# KiCad board PC110.kicad_pcb (continued)
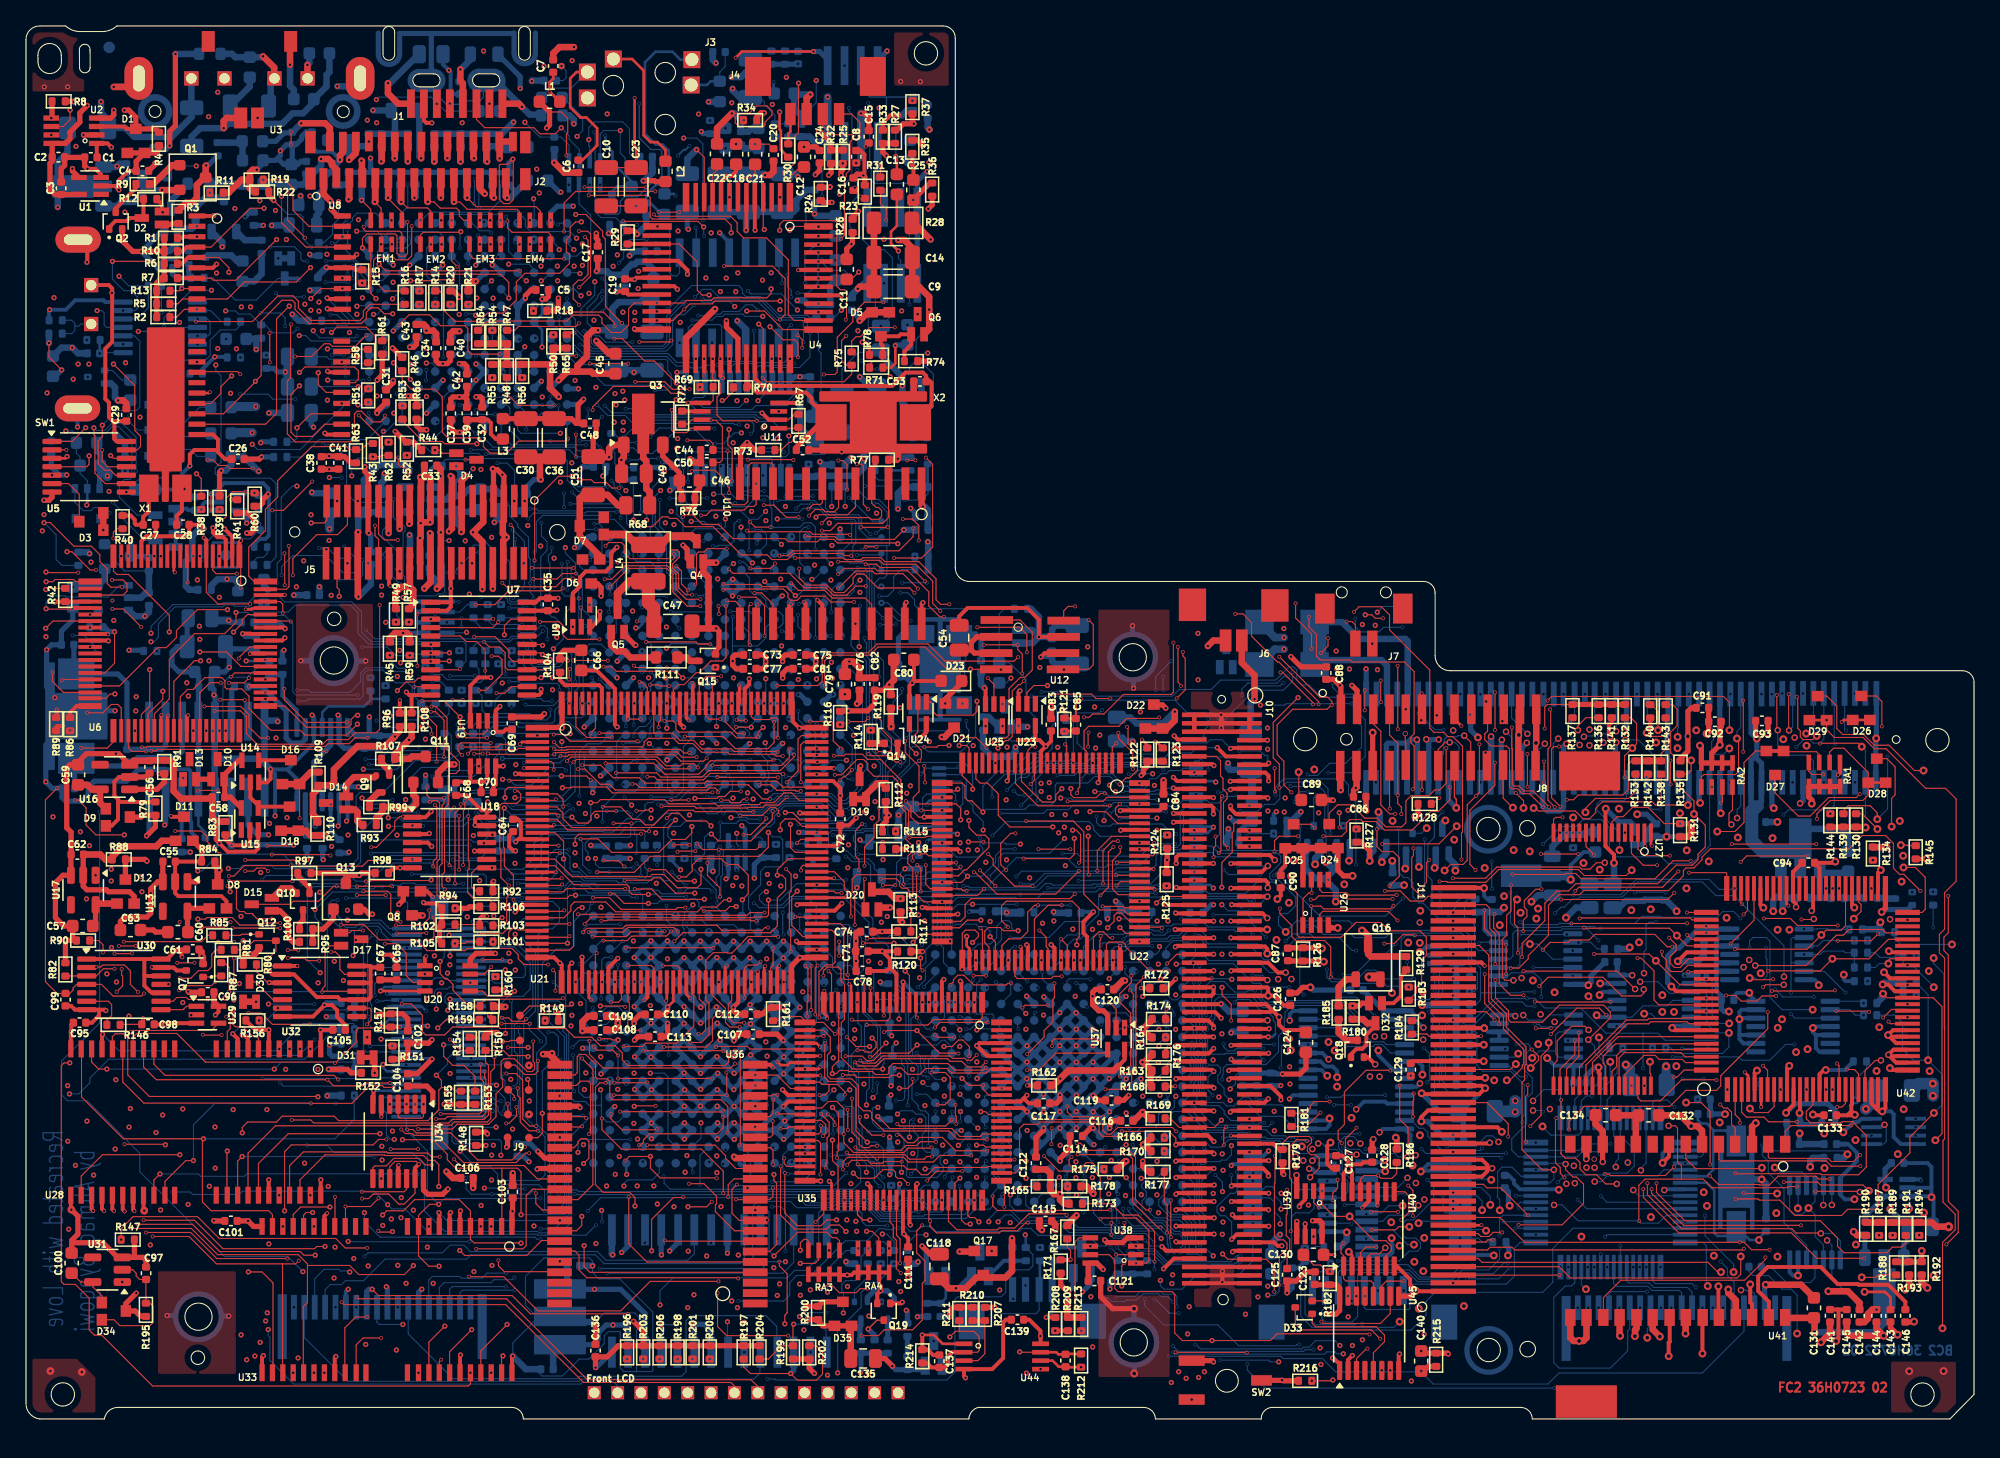
[diagram p0: board, top side]
## Routing (per net, layer and track width the routed paths; a pad name or vN(x,y) marks a point on that pad's centre or on a via; arc(x,y) is an arc through that point) (continued)
/PCMCIA/ACA3: length 24.9
  FC2 w0.08: v3(85.14,34.16) 85.14,33.65 84.25,32.76 84.25,32.12 85.09,31.28 85.09,27.26 v3(84.86,27.03)
  FC2 w0.2: v3(92.8,21.84) 92.83,21.81 J10.52
  FC1 w0.08: v3(92.8,21.84) 91.41,21.84 90.61,22.64 90.61,25.66 89.47,26.8 85.09,26.8 v3(84.86,27.03) ; v1(87.4,33.91) 86.94,33.91 86.74,33.71 85.95,33.71 85.5,34.16 v3(85.14,34.16)
  BC2 w0.08: v1(87.4,33.91) 87.28,33.91 86.64,33.27 86.54,33.27
/PCMCIA/ACA4: length 28.5
  FC1 w0.08: v2(98.27,21) 96.16,23.11 v3(94.24,23.11)
  BC1 w0.08: v7(93.92,24.46) 93.9,24.48 93.9,27.85 93.3,28.45 93.3,30.41 92.39,31.32 91.66,31.32 91.38,31.6 89.21,31.6 89.13,31.52 87.18,31.52 86.11,30.45 85.81,30.45 85.45,30.09 v7(85.45,30.01) ; v2(98.27,21) 97.73,21 97.49,21.24 v7(97.49,22.62)
  BC2 w0.08: v7(85.45,30.01) 85.18,30.01 84.46,30.73 84,30.73 ; v7(93.92,24.46) 95.06,23.32 96.79,23.32 v7(97.49,22.62)
/PCMCIA/ACA5: length 28.9
  FC2 w0.3: v1(95.69,24.67) 95.38,24.36 J10.48
  BC1 w0.08: v7(94.77,24.65) 94.77,25.21 94.82,25.26 94.82,29.56 95,29.74 95,31.56 94.15,32.41 94.15,33.83 93.99,33.99 93.99,35.58 93.12,36.45 89.58,36.45 89.02,37.01 87.91,37.01 87.71,37.21 86.76,37.21 86.44,36.89 85.87,36.89 85.02,36.04 85.02,35.34 85.38,34.98 85.98,34.98 86.13,35.13 86.13,35.33 86.28,35.48 87.53,35.48 v7(87.9,35.11)
  BC2 w0.08: v7(87.9,35.11) 87.81,35.02 87.81,34.54 ; v7(94.77,24.65) 95.67,24.65 v1(95.69,24.67)
/PCMCIA/ACA6: length 32.1
  FC2 w0.3: J10.46 95.86,25.66 96.66,24.86 v1(96.66,24.6)
  BC1 w0.08: v7(96.3,20.6) 96.58,20.6 96.69,20.71 96.69,21.32 96.59,21.42 96.59,24.03 96.65,24.09 96.65,24.59 v1(96.66,24.6) ; v7(94.82,21.1) 94.82,23.66 95.12,23.96 95.12,25.14 95.01,25.25 95.01,29.44 95.19,29.62 95.19,31.71 94.35,32.55 94.35,33.9 94.19,34.06 94.19,35.69 93.24,36.64 91.16,36.64 91.06,36.74 v7(89.7,36.74)
  BC2 w0.08: v7(89.7,36.74) 89.15,36.74 89.03,36.86 88.36,36.86 87.81,36.31 87.81,35.78 ; v7(94.82,21.1) 94.88,21.16 95.93,21.16 96.3,20.79 v7(96.3,20.6)
/PCMCIA/ACA7: length 15
  FC2 w0.3: v1(92.65,26.85) 92.71,26.91 J10.44
  BC1 w0.08: v1(92.65,26.85) 92.39,26.85 91.69,26.15 90.2,26.15 89.71,26.64 85.43,26.64 85.22,26.85 84.41,26.85 82.83,28.43 v7(82.83,30.39)
  BC2 w0.08: v7(82.83,30.39) 82.83,30.63 82.73,30.73 82.73,30.7
/PCMCIA/ACA8: length 24.7
  FC2 w0.3: J10.24 92.89,39.61 v1(92.87,39.63)
  BC1 w0.08: v7(85.53,43) 85.53,41.35 86.69,40.19 92.31,40.19 v1(92.87,39.63) ; v7(80.81,34.49) 80.81,35.75 81.39,36.33 81.39,37.54 81.28,37.65 81.28,39.26 81.41,39.39 81.41,42.98 v7(81.39,43)
  BC2 w0.08: v7(81.39,43) v7(85.53,43) ; v7(80.81,34.49) 80.76,34.54 80.19,34.54
/PCMCIA/ACA9: length 18.9
  FC2 w0.3: J10.22 92.82,40.91 v1(92.81,40.9)
  BC1 w0.08: v1(92.81,40.9) 92.81,41.3 92.63,41.48 87.18,41.48 87.01,41.31 v7(87.01,40.51)
  BC2 w0.08: v7(87.01,40.51) 86.65,40.51 86.51,40.65 83.05,40.65 82.62,40.22 82.62,38.88 81.65,37.91 81.65,37.43 81.19,36.97 80.71,36.97 80.19,36.45 80.19,35.78
/PCMCIA/ACA10: length 41.6
  FC1 w0.08: v1(96.92,46.77) 96.92,45.22 96.41,44.71 v3(94.24,44.71)
  BC1 w0.08: v7(77.94,47.67) 77.94,41.07 77.47,40.6 77.47,36.33 77,35.86 v7(77,35.56) ; v7(91.06,50.02) 91.38,49.7 93,49.7 95.33,47.37 96.63,47.37 96.92,47.08 v1(96.92,46.77)
  BC2 w0.08: 77.65,34.54 77.22,34.54 77,34.76 v7(77,35.56) ; v7(91.06,50.02) 91.06,50.32 90.95,50.43 83.41,50.43 83.1,50.12 78.63,50.12 77.79,49.28 77.79,48.22 77.94,48.07 v7(77.94,47.67)
/PCMCIA/ACA11: length 25
  FC2 w0.3: v4(95.66,42.62) 95.2,42.16 J10.20
  BC1 w0.08: v7(81.07,41.48) v7(81.07,37.3) ; v7(86.44,41.51) 86.76,41.51 86.93,41.68 92.45,41.68 v7(93.37,42.6)
  BC2 w0.08: 78.92,34.54 79.62,35.24 79.62,36.71 80.21,37.3 v7(81.07,37.3) ; v7(86.44,41.51) 82.03,41.51 82,41.48 v7(81.07,41.48) ; v4(95.66,42.62) 95.64,42.6 v7(93.37,42.6)
/PCMCIA/ACA12: length 16.9
  FC2 w0.3: v1(95.71,28.18) 95.69,28.16 J10.42
  IC2 w0.08: v1(95.71,28.18) 94.95,28.94 94.95,31.24 93.36,32.83 93.36,34.65 93.1,34.91 90.1,34.91 89.31,35.7 88.02,35.7 v1(87.31,36.41)
  BC2 w0.08: 86.54,35.81 87.04,35.81 87.31,36.08 v1(87.31,36.41)
/PCMCIA/ACA13: length 19.5
  FC2 w0.3: J10.26 92.82,38.36 v1(92.81,38.37)
  IC1 w0.08: v1(92.81,38.37) 92.2,37.76 91.07,37.76 90.41,37.1 81.74,37.1 81.47,37.37 81.08,37.37 80.7,37.75 v1(80.63,37.75)
  BC1 w0.08: v1(80.63,37.75) 80.63,36.9 80.53,36.8 80.53,33.96 v7(80.9,33.59)
  BC2 w0.08: 81.46,33.27 81.44,33.29 81.29,33.29 80.99,33.59 v7(80.9,33.59)
/PCMCIA/ACA14: length 13.8
  FC2 w0.3: v1(92.8,37.08) 92.82,37.06 J10.28
  BC1 w0.08: v7(82.62,35.87) 84.02,37.27 84.71,37.27 85.1,37.66 v7(85.1,38.05) ; v7(87.46,37.61) 87.67,37.4 87.88,37.4 88.04,37.24 89.25,37.24 89.38,37.11 89.78,37.11 89.9,36.99 90.63,36.99 91.2,37.56 92.32,37.56 v1(92.8,37.08)
  BC2 w0.08: v7(87.46,37.61) 86.87,37.61 86.77,37.71 85.44,37.71 v7(85.1,38.05) ; 82.73,35.81 82.67,35.87 v7(82.62,35.87)
/PCMCIA/ACA15: length 26.9
  FC2 w0.2: J10.40 94.26,29.44 v1(95.69,29.44)
  BC1 w0.08: v7(83.45,33.21) 82.78,32.54 82.78,30.99 84,29.77 84.66,29.77 84.87,29.98 84.87,31.6 84.35,32.12 84.35,32.83 84.64,33.12 85.27,33.12 85.67,33.52 86.3,33.52 86.66,33.16 86.66,32.69 87.09,32.26 88.83,32.26 89,32.43 89,32.77 89.16,32.93 89.53,32.93 89.62,32.84 92.88,32.84 93.09,32.63 v7(93.09,32.11)
  BC2 w0.08: v7(83.45,33.21) 83.51,33.27 84,33.27 84,33.24 ; 96.24,29.67 96.24,30.53 96.07,30.7 96.07,30.96 95.67,31.36 95.19,31.36 94.23,32.32 93.3,32.32 v7(93.09,32.11)
  BC2 w0.2: 96.24,29.67 96.01,29.44 v1(95.69,29.44)
/PCMCIA/ACA16: length 35.5
  FC2 w0.3: v4(95.63,30.72) 95.62,30.71 J10.38
  IC2 w0.08: v4(95.63,30.72) 95.63,31.24 95.82,31.43 97.53,31.43 97.88,31.08 97.88,24.19 96.31,22.62 93.03,22.62 91.95,23.7 91.95,23.96 91.74,24.17 91.25,24.17 90.19,25.23 90.19,30.08 85.64,34.63 84.14,34.63 v1(83.44,33.93)
  BC2 w0.08: 84,34.54 84,34.52 83.44,33.96 v1(83.44,33.93)
/PCMCIA/ACA17: length 18.8
  FC2 w0.3: J10.25 95.25,38.96 v4(95.61,38.6)
  BC1 w0.08: v7(88.04,37.65) 88.04,37.89 88.35,38.2 89.18,38.2 89.29,38.31 89.29,39.31 89.39,39.41 90.29,39.41 90.84,38.86 v7(91.46,38.86)
  BC2 w0.08: v7(91.46,38.86) 94.1,38.86 94.36,38.6 v4(95.61,38.6) ; v7(88.04,37.65) 87.68,37.29 86.84,37.29 86.62,37.51 84.68,37.51 84.52,37.35 82.4,37.35 81.46,36.41 81.46,35.81
/PCMCIA/ACA18: length 21.6
  FC2 w0.3: v2(95.6,37.72) 95.59,37.71 J10.27
  BC1 w0.08: v7(81.9,35.18) 81.9,35.85 82.03,35.98 82.03,36.31 82.93,37.21 83.63,37.21 83.89,37.47 84.56,37.47 84.72,37.63 84.72,39.93 v7(85.01,40.22) ; v2(95.6,37.72) 94.58,38.74 v7(94.58,39.91)
  BC2 w0.08: v7(81.9,35.18) 81.9,35.17 81.46,34.73 81.46,34.54 ; v7(94.58,39.91) 94.57,39.9 94.21,39.9 94.02,40.09 87.55,40.09 87.42,40.22 v7(85.01,40.22)
/PCMCIA/ACA19: length 18.8
  FC2 w0.3: J10.29 95.43,36.41 95.61,36.23 v2(95.61,35.86)
  BC1 w0.08: v7(83.5,35.32) 82.81,34.63 v7(82.81,33.4)
  BC2 w0.08: v2(95.61,35.86) 94.86,36.61 91.12,36.61 91.11,36.6 91.06,36.6 90.89,36.77 90.89,37.26 90.56,37.59 89.5,37.59 88.97,37.06 88.32,37.06 88.07,36.81 86.7,36.81 86.54,36.65 84.98,36.65 84.73,36.4 83.9,36.4 83.5,36 v7(83.5,35.32) ; 82.73,33.24 82.81,33.32 v7(82.81,33.4) 82.81,33.35 82.73,33.27
/PCMCIA/ACA20: length 17.7
  FC2 w0.3: J10.31 95.68,35.16 96.44,34.4 v4(97.03,34.4)
  BC1 w0.08: v7(90.64,35.74) 90.3,35.74 90.17,35.87 88.17,35.87 87.85,36.19 87.85,36.47 87.48,36.84 87.15,36.84 v7(86.75,36.44)
  BC2 w0.08: 84,35.81 84.25,36.06 84.65,36.06 85.03,36.44 v7(86.75,36.44) ; v7(90.64,35.74) 90.7,35.74 91.12,35.32 94.86,35.32 95.78,34.4 v4(97.03,34.4)
/PCMCIA/ACA21: length 23.9
  FC2 w0.3: v4(95.62,33.82) 95.53,33.91 J10.33
  BC1 w0.08: v7(93.64,37.57) 93.64,36.75 94.43,35.96 94.43,34.24 v7(94.47,34.2) ; v7(81.7,31.77) 81.7,34.54 82.25,35.09 82.25,35.97 v7(82.79,36.51)
  BC2 w0.08: v7(82.79,36.51) 82.97,36.69 84.07,36.69 84.16,36.6 84.64,36.6 84.91,36.87 86.41,36.87 86.53,36.99 87.88,36.99 88.13,37.24 88.8,37.24 89.37,37.81 90.75,37.81 90.87,37.69 93.07,37.69 93.19,37.57 v7(93.64,37.57) ; v4(95.62,33.82) 95.24,34.2 v7(94.47,34.2) ; 81.46,32 81.69,31.77 v7(81.7,31.77) 81.66,31.77 81.46,31.97
/PCMCIA/ACA22: length 17.2
  FC2 w0.3: v1(95.75,30.07) 95.74,30.06 J10.39
  BC1 w0.08: v7(85.55,35.77) 85.55,35.95 85.99,36.39 86.33,36.39 86.83,35.89 87.76,35.89 87.96,35.69 89.91,35.69 90.17,35.43 91.16,35.43 91.24,35.35 92.33,35.35 92.52,35.16 93.13,35.16 93.61,34.68 93.61,33.75 93.8,33.56 93.8,31.94 94.48,31.26 v7(94.48,30.09)
  BC2 w0.08: 85.28,35.77 85.27,35.78 ; v7(85.55,35.77) 85.31,35.77 85.27,35.81 ; v7(94.48,30.09) 95.73,30.09 v1(95.75,30.07)
/PCMCIA/ACA23: length 16.7
  FC2 w0.3: J10.41 92.85,28.81 v1(92.83,28.79)
  IC2 w0.08: v1(92.12,34.34) 92.12,34.3 91.49,33.67 91.33,33.67 91.04,33.38 91.04,29.15 91.27,28.92 92.09,28.92 92.22,28.79 v1(92.83,28.79)
  BC1 w0.08: v1(92.12,34.34) 92.12,34.79 91.92,34.99 90.97,34.99 90.61,34.63 86.97,34.63 86.82,34.48 v7(85.55,34.48)
  BC2 w0.08: 85.27,34.54 85.33,34.48 v7(85.55,34.48)
/PCMCIA/ACA24: length 16.2
  FC2 w0.3: v1(92.84,27.72) 93.05,27.51 J10.43
  BC1 w0.08: v7(85.5,32.57) 85.5,32.24 85.67,32.07 88.91,32.07 89.14,32.3 89.72,32.3 89.89,32.47 92.27,32.47 92.55,32.19 92.55,31.79 93.93,30.41 93.93,29.66 94.11,29.48 v7(94.11,28.04)
  BC2 w0.08: v7(94.11,28.04) 93.79,27.72 v1(92.84,27.72) ; v7(85.5,32.57) 85.5,33.04 85.27,33.27
/PCMCIA/ACA25: length 24.1
  FC2 w0.3: v1(92.65,26.15) 92.76,26.26 J10.45
  IC4 w0.08: v1(92.65,26.15) 93.19,26.15 93.58,25.76 93.58,23.46 92.71,22.59 91.01,22.59 89.85,23.75 89.85,29.04 89.5,29.39 88.16,29.39 87.87,29.68 87.87,31.99 v1(88.56,32.68)
  BC1 w0.08: v1(88.56,32.68) 87.3,32.68 87.1,32.88 87.1,33.43 86.57,33.96 v7(86.41,33.96)
  BC2 w0.08: 86.54,34.51 86.54,34.54 86.41,34.41 v7(86.41,33.96)
/PCMCIA/ACD0: length 21.1
  FC2 w0.3: v1(92.85,16.76) J10.60
  IC4 w0.08: v1(92.85,16.76) 93.23,16.76 93.44,16.97 93.44,17.01 93.43,17.02 93.43,22.56 93.95,23.08 93.95,26.21 93.64,26.52 93.64,28.98 93.36,29.26 92.54,29.26 v1(92.12,29.68)
  BC1 w0.08: v1(92.12,29.68) 92.12,30.19 91.65,30.66 91.65,31 91.23,31.42 89.75,31.42 89.62,31.29 v7(89.34,31.29)
  BC2 w0.4: v7(89.34,31.29) 89.08,31.55 89.08,32
/PCMCIA/ACD1: length 33.7
  FC2 w0.3: J10.62 93.15,15.51 v1(92.93,15.73)
  IC2 w0.08: v1(87.22,27.48) 86.72,27.98 85.6,27.98 84.27,26.65 84.27,22.97 85.29,21.95 92.82,21.95 93.3,21.47 93.3,19.3 92.61,18.61 91.47,18.61 90.78,17.92 90.78,16.84 91.89,15.73 v1(92.93,15.73)
  BC1 w0.08: v1(87.22,27.48) 87.22,28.1 86.76,28.56 86.76,30.69 87.22,31.15 v7(88.4,31.15)
  BC2 w0.08: 87.81,32 88.4,31.41 v7(88.4,31.15)
/PCMCIA/ACD1#: length 46.3
  FC2 w0.08: R117.2 68.16,39.19 v3(68.05,39.3)
  FC2 w0.3: J10.5 92.83,51.71 v1(92.79,51.67)
  FC1 w0.08: v3(68.05,39.3) 68.05,39.67 67.88,39.84 67.88,40.86 68.07,41.05 73.16,41.05 74.26,39.95 v1(74.26,38.34)
  BC1 w0.08: v7(75.55,48.46) 75.55,48.45 74.51,47.41 74.51,45.45 74.81,45.15 74.81,44.34 74.7,44.23 74.7,42.34 74.51,42.15 74.51,40.31 74.26,40.06 v1(74.26,38.34) 74.26,37.88 73.82,37.44 73.82,36.61 73.88,36.55 v7(73.88,35.96)
  BC2 w0.08: 73.84,35.81 73.88,35.85 v7(73.88,35.96) 73.88,35.82 ; v7(75.55,48.46) 76.53,49.44 77.07,49.44 78.15,50.52 81.62,50.52 82.02,50.92 85.29,50.92 85.61,51.24 86.92,51.24 87.78,52.1 90.97,52.1 91.21,52.34 92.12,52.34 v1(92.79,51.67)
/PCMCIA/ACD2: length 24.7
  FC2 w0.3: v1(92.87,13.84) 93.24,14.21 J10.64
  BC1 w0.08: v7(89.91,29.52) 89.51,29.12 89.51,28.88 89.76,28.63 90.5,28.63 91.04,28.09 91.89,28.09 92.13,28.33 93.18,28.33 93.68,27.83 93.68,24.8 93.64,24.76 93.64,21.73 93.82,21.55 93.82,19.57 v7(93.29,19.04)
  BC2 w0.08: v7(93.29,19.04) 93.29,17.58 93.09,17.38 92.75,17.38 91.74,16.37 91.74,15.94 92.02,15.66 92.38,15.66 92.87,15.17 v1(92.87,13.84) ; v7(89.91,29.52) 89.91,30.31 89.49,30.73 89.08,30.73
/PCMCIA/ACD2#: length 87.1
  FC2 w0.08: v3(96.15,9.8) 96.15,11.7 95.54,12.31 J10.67 92.57,12.31 v1(92.17,12.71) ; R177.2 87.68,16.73 87.9,16.51 v3(87.9,14.36)
  FC1 w0.08: v1(92.17,12.71) 92.17,13.22 91.86,13.53 90.11,13.53 89.28,14.36 v3(87.9,14.36) ; v3(96.15,9.8) 96.13,9.78 96.13,4.92 96,4.79 96,4.14 96.25,3.89 97.26,3.89 97.74,3.41 102.31,3.41 102.89,3.99 102.89,4.94 v1(102.17,5.66)
  BC1 w0.08: v7(89.58,30.09) 89.85,30.36 90.18,30.36 90.49,30.67 91.35,30.67 v7(91.37,30.65) ; v7(103.41,30.06) 103.41,29.42 103.49,29.34 103.49,28.39 104.86,27.01 104.86,25.96 103.98,25.08 103.98,23.56 104.15,23.39 107.64,23.39 107.95,23.08 v7(107.95,18.42) ; v7(101.05,12.18) 101.05,6.78 v1(102.17,5.66)
  BC2 w0.08: v7(89.58,30.09) 89.58,30.04 89.08,29.54 89.08,29.43 ; v7(107.95,18.42) 108.43,17.94 108.43,16.9 106.87,15.34 106.34,15.34 106.03,15.03 106.03,14.2 106.29,13.94 107.05,13.94 107.41,13.58 107.41,13.17 107.17,12.93 106.54,12.93 105.79,12.18 v7(101.05,12.18) ; v7(91.37,30.65) 91.57,30.85 91.57,32.23 91.85,32.51 94.47,32.51 95.28,31.7 97.06,31.7 97.42,32.06 100.42,32.06 100.65,31.83 101.64,31.83 v7(103.41,30.06)
/PCMCIA/ACD3: length 42
  FC2 w0.3: v1(95.62,52.31) J10.4
  IC2 w0.08: v1(95.62,52.31) 94.26,50.95 91.09,50.95 90.28,50.14 85.31,50.14 84.62,49.45 82.27,49.45 79.6,46.78 79.6,46.37 79.96,46.01 80.78,46.01 81.24,45.55 v1(81.82,45.55)
  BC1 w0.08: v7(75.85,37.1) v7(75.85,33.66) ; v1(81.82,45.55) 82.31,45.06 82.31,44.65 81.73,44.07 81.73,39.19 81.6,39.06 v7(81.6,38.33)
  BC2 w0.08: v7(75.85,33.66) 75.85,32.74 75.11,32 ; v7(81.6,38.33) 80.02,38.33 78.79,37.1 v7(75.85,37.1)
/PCMCIA/ACD4: length 39.9
  FC2 w0.3: J10.6 92.43,51.06 v1(91.76,51.73)
  BC1 w0.08: v7(81.25,49.32) 81.25,48.14 81.45,47.94 81.45,46.53 80.97,46.05 78.86,46.05 78.36,45.55 78.36,40.69 77.86,40.19 77.86,37.38 78.03,37.21 78.03,34.92 77.56,34.45 76.56,34.45 76.28,34.17 76.28,32.76 v7(77.73,31.31) ; v7(85.97,48.86) 85.97,49.1 86.32,49.45 86.32,49.79 85.96,50.15 v7(85.96,50.92)
  BC2 w0.08: v7(85.96,50.92) 87.66,50.92 88.06,51.32 89.77,51.32 90.18,51.73 v1(91.76,51.73) ; 77.65,30.73 77.65,31.23 v7(77.73,31.31) ; v7(81.25,49.32) 81.65,49.72 83.68,49.72 84.29,49.11 85.72,49.11 v7(85.97,48.86)
/PCMCIA/ACD5: length 51.7
  FC2 w0.3: J10.8 95.47,49.81 95.71,49.57 v1(95.71,49.18)
  BC1 w0.08: v7(78.23,56.03) 76.64,54.44 76.64,52.33 76.82,52.15 76.82,49.62 76.42,49.22 76.42,48.03 75.48,47.09 74.96,47.09 74.72,46.85 74.72,45.54 75.01,45.25 75.01,44.2 74.89,44.08 74.89,42.12 74.71,41.94 v7(74.71,33.67) ; v1(95.71,49.18) 94.66,50.23 94.66,52 93.35,53.31 93.35,56.41 91.99,57.77 89.13,57.77 88.06,56.7 80.21,56.7 v7(79.56,56.05)
  BC2 w0.08: v7(78.23,56.03) 78.24,56.04 79.55,56.04 v7(79.56,56.05) ; v7(74.71,33.67) 75.11,33.27 75.11,33.24
/PCMCIA/ACD6: length 41.1
  FC2 w0.3: J10.10 92.84,48.56 v1(92.78,48.5)
  BC1 w0.08: v7(91.83,48.29) 90.99,48.29 90.43,48.85 89.63,48.85 89.18,49.3 89.18,50.82 88.72,51.28 88.11,51.28 87.84,51.55 v7(86.22,51.55) ; v7(80.96,53.98) 79.18,53.98 77.23,52.03 77.23,43.26 76.88,42.91 76.88,41.43 77.04,41.27 77.04,37.58 76.18,36.72 v7(76.18,36.4)
  BC2 w0.08: v7(86.22,51.55) 85.25,51.55 84.93,51.23 81.83,51.23 80.96,52.1 v7(80.96,53.98) ; 75.11,34.54 75.81,35.24 75.81,36.15 76.06,36.4 v7(76.18,36.4) ; v7(91.83,48.29) 92.1,48.29 92.31,48.5 v1(92.78,48.5)
/PCMCIA/ACD7: length 43.9
  FC1 w0.08: v3(94.24,47.26) 94.28,47.22 95.27,47.22 95.39,47.34 96.47,47.34 v1(96.99,47.86)
  BC1 w0.08: v7(76.43,35.96) 76.64,36.17 76.64,36.78 77.28,37.42 77.28,40.82 77.75,41.29 77.75,45.19 77.45,45.49 77.45,51.82 78.91,53.28 83.16,53.28 83.38,53.5 90.55,53.5 91.47,52.58 93.36,52.58 94.13,51.81 94.13,49.28 94.84,48.57 96.28,48.57 v1(96.99,47.86)
  BC2 w0.08: 76.38,35.81 76.43,35.86 v7(76.43,35.96) 76.43,35.83
/PCMCIA/ACD8: length 27.2
  FC2 w0.3: J10.61 95.67,16.16 v1(95.71,16.12)
  BC1 w0.08: v1(95.71,16.12) 95.16,16.67 95.16,18.9 94.74,19.32 94.45,19.32 93.53,18.4 92.72,18.4 92.52,18.6 92.52,18.9 92.76,19.14 92.96,19.14 93.5,19.68 93.5,21.53 93.41,21.62 93.41,24.98 93.49,25.06 93.49,27.69 93.03,28.15 92.62,28.15 91.67,27.2 91.32,27.2 91.07,26.95 90.09,26.95 90,27.04 85.81,27.04 v7(85.38,27.47)
  BC2 w0.08: 85.27,28.19 85.27,27.58 v7(85.38,27.47)
/PCMCIA/ACD9: length 71.4
  FC2 w0.3: J10.63 95.71,14.86 v1(95.72,14.85)
  BC1 w0.08: v7(98.52,11.22) 96.75,11.22 96.36,10.83 95.5,10.83 95.25,11.08 95.25,13.22 95.72,13.69 v1(95.72,14.85) ; v7(101.19,29.04) 101.19,31.16 99.45,32.9 99.45,33.47 99.13,33.79 98.69,33.79 98.18,33.28 v7(97.3,33.28) ; v7(89.95,31.13) 89.63,30.81 89.13,30.81 88.83,30.51 v7(87.16,30.51) ; v7(89.95,33.64) 89.93,33.66 v7(89.93,34.34) ; v7(103.16,29.04) 103.16,27.09 103.01,26.94 103.01,26 103.38,25.63 103.38,21.03 104,20.41 105.2,20.41 105.62,19.99 105.62,17.15 105.22,16.75 105.22,16.11 105.87,15.46 105.87,14.36 106.34,13.89 106.34,13.06 106.64,12.76 107.19,12.76 107.52,12.43 107.52,11.97 107.08,11.54 103.67,11.54 102.93,10.8 v7(102.93,7.34)
  BC2 w0.08: v7(102.93,7.34) 102.44,7.34 102.36,7.26 99.34,7.26 98.52,8.08 v7(98.52,11.22) ; v7(97.3,33.28) 95.35,33.28 95.06,33.57 94.52,33.57 93.01,35.08 90.82,35.08 90.69,35.21 90.23,35.21 89.93,34.91 v7(89.93,34.34) ; v7(89.95,31.13) 89.95,31.64 89.83,31.76 89.83,32.36 89.95,32.48 v7(89.95,33.64) ; v7(101.19,29.04) v7(103.16,29.04) ; v7(87.16,30.51) 86.94,30.73 86.54,30.73
/PCMCIA/ACD10: length 26.9
  FC2 w0.3: J10.65 96.14,13.61 96.41,13.34 v1(96.73,13.34)
  BC1 w0.08: v7(90.27,28.28) 88.34,28.28 88.1,28.52 88.1,29.46 87.91,29.65 v7(87.91,30.03) ; v1(96.73,13.34) 96.18,13.89 96.18,16.43 95.95,16.66 95.7,16.66 95.34,17.02 95.34,19.23 94.52,20.05 94.52,22.98 v7(94.5,23)
  BC2 w0.08: v7(90.27,28.28) 90.27,27.99 90.3,27.96 90.3,25.8 90.19,25.69 90.19,24.44 90.49,24.14 91.9,24.14 92.29,23.75 92.29,23.52 92.81,23 v7(94.5,23) ; v7(87.91,30.03) 87.81,30.13 87.81,30.73
/PCMCIA/ACD11: length 39.5
  FC2 w0.3: v1(95.72,50.54) 95.59,50.41 J10.7
  BC1 w0.08: v7(76.64,47.28) 75.85,46.49 75.85,43.83 76.21,43.47 76.21,42.47 75.77,42.03 75.77,39.47 75.97,39.27 75.97,38.81 75.52,38.36 v7(75.52,38.01) ; v7(93.48,51.48) 93.48,51.86 93.16,52.18 91.07,52.18 90.49,51.6 v7(90.49,50.71)
  BC2 w0.08: U74.R4 74.53,35.21 74.53,36.31 75.13,36.91 75.13,37.62 v7(75.52,38.01) ; v7(76.64,47.28) 77.51,48.15 77.51,49.49 78.36,50.34 82.47,50.34 82.73,50.6 89.98,50.6 90.09,50.71 v7(90.49,50.71) ; v7(93.48,51.48) 95.06,51.48 95.4,51.14 95.61,51.14 95.65,51.1 95.65,50.61 v1(95.72,50.54)
/PCMCIA/ACD12: length 38.4
  FC2 w0.3: v1(92.76,49.14) 92.78,49.16 J10.9
  BC1 w0.08: v7(75.02,46.67) 75.02,45.61 75.18,45.45 75.18,44.06 75.06,43.94 75.06,42 74.9,41.84 74.9,36.03 v7(75.04,35.89) ; v1(92.76,49.14) 92.38,49.52 91.13,49.52 90.94,49.33 89.87,49.33 89.62,49.58 89.62,52.2 88.76,53.06 88.07,53.06 87.62,52.61 84.92,52.61 83.12,50.81 v7(83.12,47.3)
  BC2 w0.08: 75.04,35.85 v7(75.04,35.89) 75.04,35.88 75.11,35.81 ; v7(75.02,46.67) 78.36,46.67 78.65,46.96 80.31,46.96 80.65,47.3 v7(83.12,47.3)
/PCMCIA/ACD13: length 44.6
  FC2 w0.3: v1(95.65,47.85) 95.59,47.91 J10.11
  IC4 w0.08: v1(95.65,47.85) 94.88,47.85 94.56,48.17 94.56,51.84 94.19,52.21 90.19,52.21 89.31,53.09 84.98,53.09 83.02,51.13 83.02,48.18 82.59,47.75 82.59,42.76 81.4,41.57 81.4,32.27 80.86,31.73 77.49,31.73 v1(77.01,31.25)
  BC2 w0.08: v1(77.01,31.25) 76.38,31.88 76.38,32
/PCMCIA/ACD14: length 34.3
  FC2 w0.3: J10.13 93.2,46.61 92.78,47.03 v1(92.78,47.24)
  BC1 w0.08: v7(77.13,33.72) 78.36,33.72 79.64,35 79.64,39.59 79.42,39.81 79.42,43.15 v7(79.85,43.58) ; v1(92.78,47.24) 93.79,47.24 94.47,46.56 94.47,44.6 93.86,43.99 89.71,43.99 89.38,44.32 v7(88.52,44.32)
  BC2 w0.08: 76.38,34.54 76.38,34.46 77.12,33.72 v7(77.13,33.72) ; v7(79.85,43.58) 80.96,43.58 81.17,43.37 85.82,43.37 86.77,44.32 v7(88.52,44.32)
/PCMCIA/ACD15: length 34.1
  FC1 w0.08: v1(95.66,46.85) 95.66,45.97 95.05,45.36 v3(94.24,45.36)
  IC2 w0.08: v1(80.05,46.57) 80.74,47.26 82.64,47.26 84.16,45.74 87.69,45.74 88.42,45.01 94.83,45.01 95.66,45.84 v1(95.66,46.85)
  BC1 w0.08: v1(80.05,46.57) 79.6,47.02 78.63,47.02 78.15,46.54 78.15,40.86 77.67,40.38 77.67,37.17 77.71,37.13 v7(77.71,35.96)
  BC2 w0.08: 77.65,35.81 77.71,35.87 v7(77.71,35.96) ; 77.71,35.84 77.65,35.78
/PCMCIA/ACE1#: length 30.6
  FC2 w0.08: v1(92.11,40.97) 92.11,42.88 92.91,43.68 92.91,45.18 93.03,45.3 93.03,45.85 93.19,46.01 J10.14
  BC1 w0.08: v7(87.31,41.14) 88.04,40.41 91.77,40.41 92.11,40.75 v1(92.11,40.97) ; v7(76.63,33.21) 76.63,33.87 76.85,34.09 78.39,34.09 78.67,34.37 78.67,36.05 78.55,36.17 78.55,36.9 78.74,37.09 78.74,40.89 v7(78.71,40.92)
  BC2 w0.08: 76.38,33.27 76.44,33.21 v7(76.63,33.21) ; v7(78.71,40.92) 82.35,40.92 82.48,41.05 86.88,41.05 86.97,41.14 v7(87.31,41.14)
/PCMCIA/ACE2#: length 41.1
  FC1 w0.08: v2(97.65,43.04) 96.58,44.11 v3(94.24,44.11)
  BC1 w0.08: v2(97.65,43.04) 96.83,43.04 96.19,43.68 88.73,43.68 87.79,44.62 87.79,45.08 88.08,45.37 88.38,45.37 88.87,45.86 88.87,46.86 88.62,47.11 88.14,47.11 v7(87.82,46.79) ; v7(83.49,46.66) 83.49,45.84 83.34,45.69 82.73,45.69 82.42,46 81.62,46 81.36,45.74 81.36,44.8 80.2,43.64 80.2,43.43 79.64,42.87 79.64,41.79 79.84,41.59 79.84,34.92 78.14,33.22 v7(77.92,33.22)
  BC2 w0.08: v7(87.82,46.79) 85.24,46.79 84.78,47.26 84.14,47.26 83.55,46.66 v7(83.49,46.66) ; 77.65,33.27 77.7,33.22 v7(77.92,33.22)
/PCMCIA/ACIORD#: length 26.1
  FC2 w0.3: v4(95.65,40.93) 95.65,41.33 95.47,41.51 J10.21
  IC3 w0.08: v1(78.3,38.2) 78.3,39.05 78.86,39.61 82.73,39.61 83.7,40.58 88.1,40.58 88.2,40.48 93.93,40.48 94.38,40.93 v4(95.65,40.93)
  BC1 w0.08: v1(78.3,38.2) 78.3,34.44 v7(78.29,34.43)
  BC2 w0.08: v7(78.29,34.43) 78.29,33.9 78.92,33.27
/PCMCIA/ACIOWR#: length 21.4
  FC2 w0.3: J10.23 95.61,40.26 v4(95.62,40.25)
  BC1 w0.08: v7(93.65,39.49) 93.35,39.19 90.99,39.19 90.51,39.67 88.55,39.67 87.87,38.99 87.03,38.99 86.72,38.68 86.72,37.63 v7(86.31,37.22) ; v7(81.99,33.89) 81.99,34.54 83.78,36.33 83.89,36.33 v7(84.53,36.97)
  BC2 w0.08: v7(86.31,37.22) 84.78,37.22 v7(84.53,36.97) ; v4(95.62,40.25) 94.86,39.49 v7(93.65,39.49) ; 80.19,33.24 80.19,33.74 80.37,33.92 81.96,33.92 v7(81.99,33.89)
/PCMCIA/AINPACK#: length 36
  FC2 w0.08: R179.2 96.79,21.25 97.31,21.77 98.85,21.77 99.02,21.6 99.02,21.3 98.7,20.98 98.7,20.63 98.97,20.36 99.33,20.36 99.61,20.08 99.61,19.33 v4(98.91,18.63)
  FC2 w0.3: R179.2 96.53,20.76 96.08,21.21 J10.53
  BC1 w0.08: v7(86.54,31.48) 86.76,31.7 89.05,31.7 89.14,31.79 91.53,31.79 91.79,31.53 92.48,31.53 93.59,30.42 v7(93.59,28.86) ; v4(98.91,18.63) 98.53,18.25 97.69,18.25 97.34,18.6 97.34,19.2 97.08,19.46 97.08,21.57 97,21.65 97,23.03 98.08,24.11 98.08,27.52 97.68,27.92 97.06,27.92 v7(96.13,28.85)
  BC2 w0.08: v7(93.59,28.86) 96.12,28.86 v7(96.13,28.85) ; v7(86.54,31.48) 86.54,32
/PCMCIA/AOE#: length 44.3
  FC2 w0.3: J10.18 95.79,43.46 v4(96.18,43.07)
  IC4 w0.08: v1(79.17,38.38) 79.79,39 79.79,41.44 81.4,43.05 81.4,50.14 84.57,53.31 90.22,53.31 91.05,52.47 94.33,52.47 94.83,51.97 94.83,48.93 95.44,48.32 95.91,48.32 96.14,48.09 96.14,47.69 95.9,47.45 95.03,47.45 94.87,47.29 94.87,46.25 95.48,45.64 95.48,45.03 96.18,44.33 v4(96.18,43.07)
  BC1 w0.08: v7(78.99,35.95) 79.18,35.95 79.37,36.14 79.37,37.35 79.17,37.55 v1(79.17,38.38)
  BC2 w0.08: v7(78.99,35.95) 78.99,35.88 78.92,35.81
/PCMCIA/ARDY: length 24.6
  FC2 w0.1: v3(87.85,31.56) 87.77,31.48 R174.2
  FC2 w0.3: v1(92.83,34.53) 92.86,34.56 J10.32
  FC1 w0.08: v1(92.83,34.53) 93.35,34.53 93.59,34.29 93.59,33.75 93.28,33.44 92.62,33.44 92.42,33.64 91.13,33.64 89.05,31.56 v3(87.85,31.56)
  BC1 w0.08: v7(86.43,35.12) 86.11,34.8 85.21,34.8 84.64,34.23 84.4,34.23 84.15,33.98 84.15,33.25 83.92,33.02 83.92,32.56 v7(83.3,31.94) ; v1(92.83,34.53) 92.18,35.18 90.88,35.18 90.83,35.23 89.99,35.23 89.72,35.5 87.84,35.5 87.62,35.72 86.19,35.72 v7(85.96,35.95)
  BC2 w0.08: v7(85.96,35.95) 85.96,35.59 v7(86.43,35.12) ; 82.73,32 83.24,32 v7(83.3,31.94)
/PCMCIA/AREG#: length 48
  FC2 w0.3: v1(95.73,19.91) J10.55
  IC2 w0.08: v1(84.74,23.58) 84.74,23.07 85.66,22.15 93.79,22.15 94.66,21.28 94.66,20.34 95.09,19.91 v1(95.73,19.91)
  BC1 w0.08: v1(84.74,23.58) 84.03,24.29 79.23,24.29 78.85,24.67 78.85,28.86 77.08,30.63 76.45,30.63 76.1,30.28 76.1,24.96 75.74,24.6 75.45,24.6 75.26,24.79 75.26,25.28 75.33,25.35 75.33,31.38 73.75,32.96 73.75,33.42 74.02,33.69 74.02,34.74 v7(73.62,35.14)
  BC2 w0.08: v7(73.62,35.14) 73.17,35.14 72.57,34.54
/PCMCIA/ARESET: length 17.5
  FC2 w0.3: v1(92.77,23.65) 92.88,23.76 J10.49
  IC4 w0.08: v1(92.77,23.65) 92.4,23.65 91.82,24.23 91.1,24.23 90.21,25.12 90.21,29.39 89.58,30.02 v1(88.55,30.02) 89.17,30.64 89.17,34.48 v1(88.6,35.05)
  BC2 w0.08: v1(88.6,35.05) 88.88,35.05 89.08,35.25 89.08,35.78
/PCMCIA/AVPP: length 21
  FC2 w0.3: 95.98,31.51 95.83,31.36 J10.37 ; 95.98,31.51 95.53,31.96 J10.36 ; 95.98,31.51 v4(96.52,30.97) 96.52,30.37 96.92,29.97 98.42,29.97 98.59,29.8
  IC1 w0.6: 96.49,31.83 96.49,31 v4(96.52,30.97)
  IC1 w1: v2(104.17,28.4) 102.62,28.4 102.51,28.51 102.51,29.88 101.59,30.8 98.81,30.8 97.78,31.83 96.49,31.83
  BC2 w0.3: U70.8 105.31,26.9 104.17,28.04 v2(104.17,28.4)
/PCMCIA/AWAIT: length 22.5
  FC2 w0.08: v3(92.83,30.7) 92.83,31.97 92.13,32.67 v1(92.13,33.26)
  FC1 w0.08: v3(92.83,30.7) 92.57,30.44 91.91,30.44 91.79,30.56 91.38,30.56 90.12,29.3 ; 90.12,29.3 91.28,28.14 91.68,28.14 92.54,27.28 93.22,27.28 93.74,26.76 93.74,22.96 v3(94.24,22.46) ; 90.12,29.3 87.87,29.3 v3(87.77,29.4)
  BC1 w0.08: v7(89.08,33.98) 89.08,33.45 89.38,33.15 90.72,33.15 91.26,33.69 91.7,33.69 v1(92.13,33.26)
  BC2 w0.08: v7(89.08,33.98) 89.08,34.54
